# Altium PCB Time4CM4_PCIeCarrier_PCB.PcbDoc (part 3 of 5)
Units mil, origin at the board's own origin, x right, y up, seen from the top; angles counter-clockwise.
Board outline 4413.39 x 2736.22 mil, 6 copper layers (Top Layer, Int1 (GND), Int2 (Sign), Int3 (Sign), Int4 (PWR), Bottom Layer), stack 69.312 mil thick; 188 components, 283 nets, 1105 pads, 686 vias.
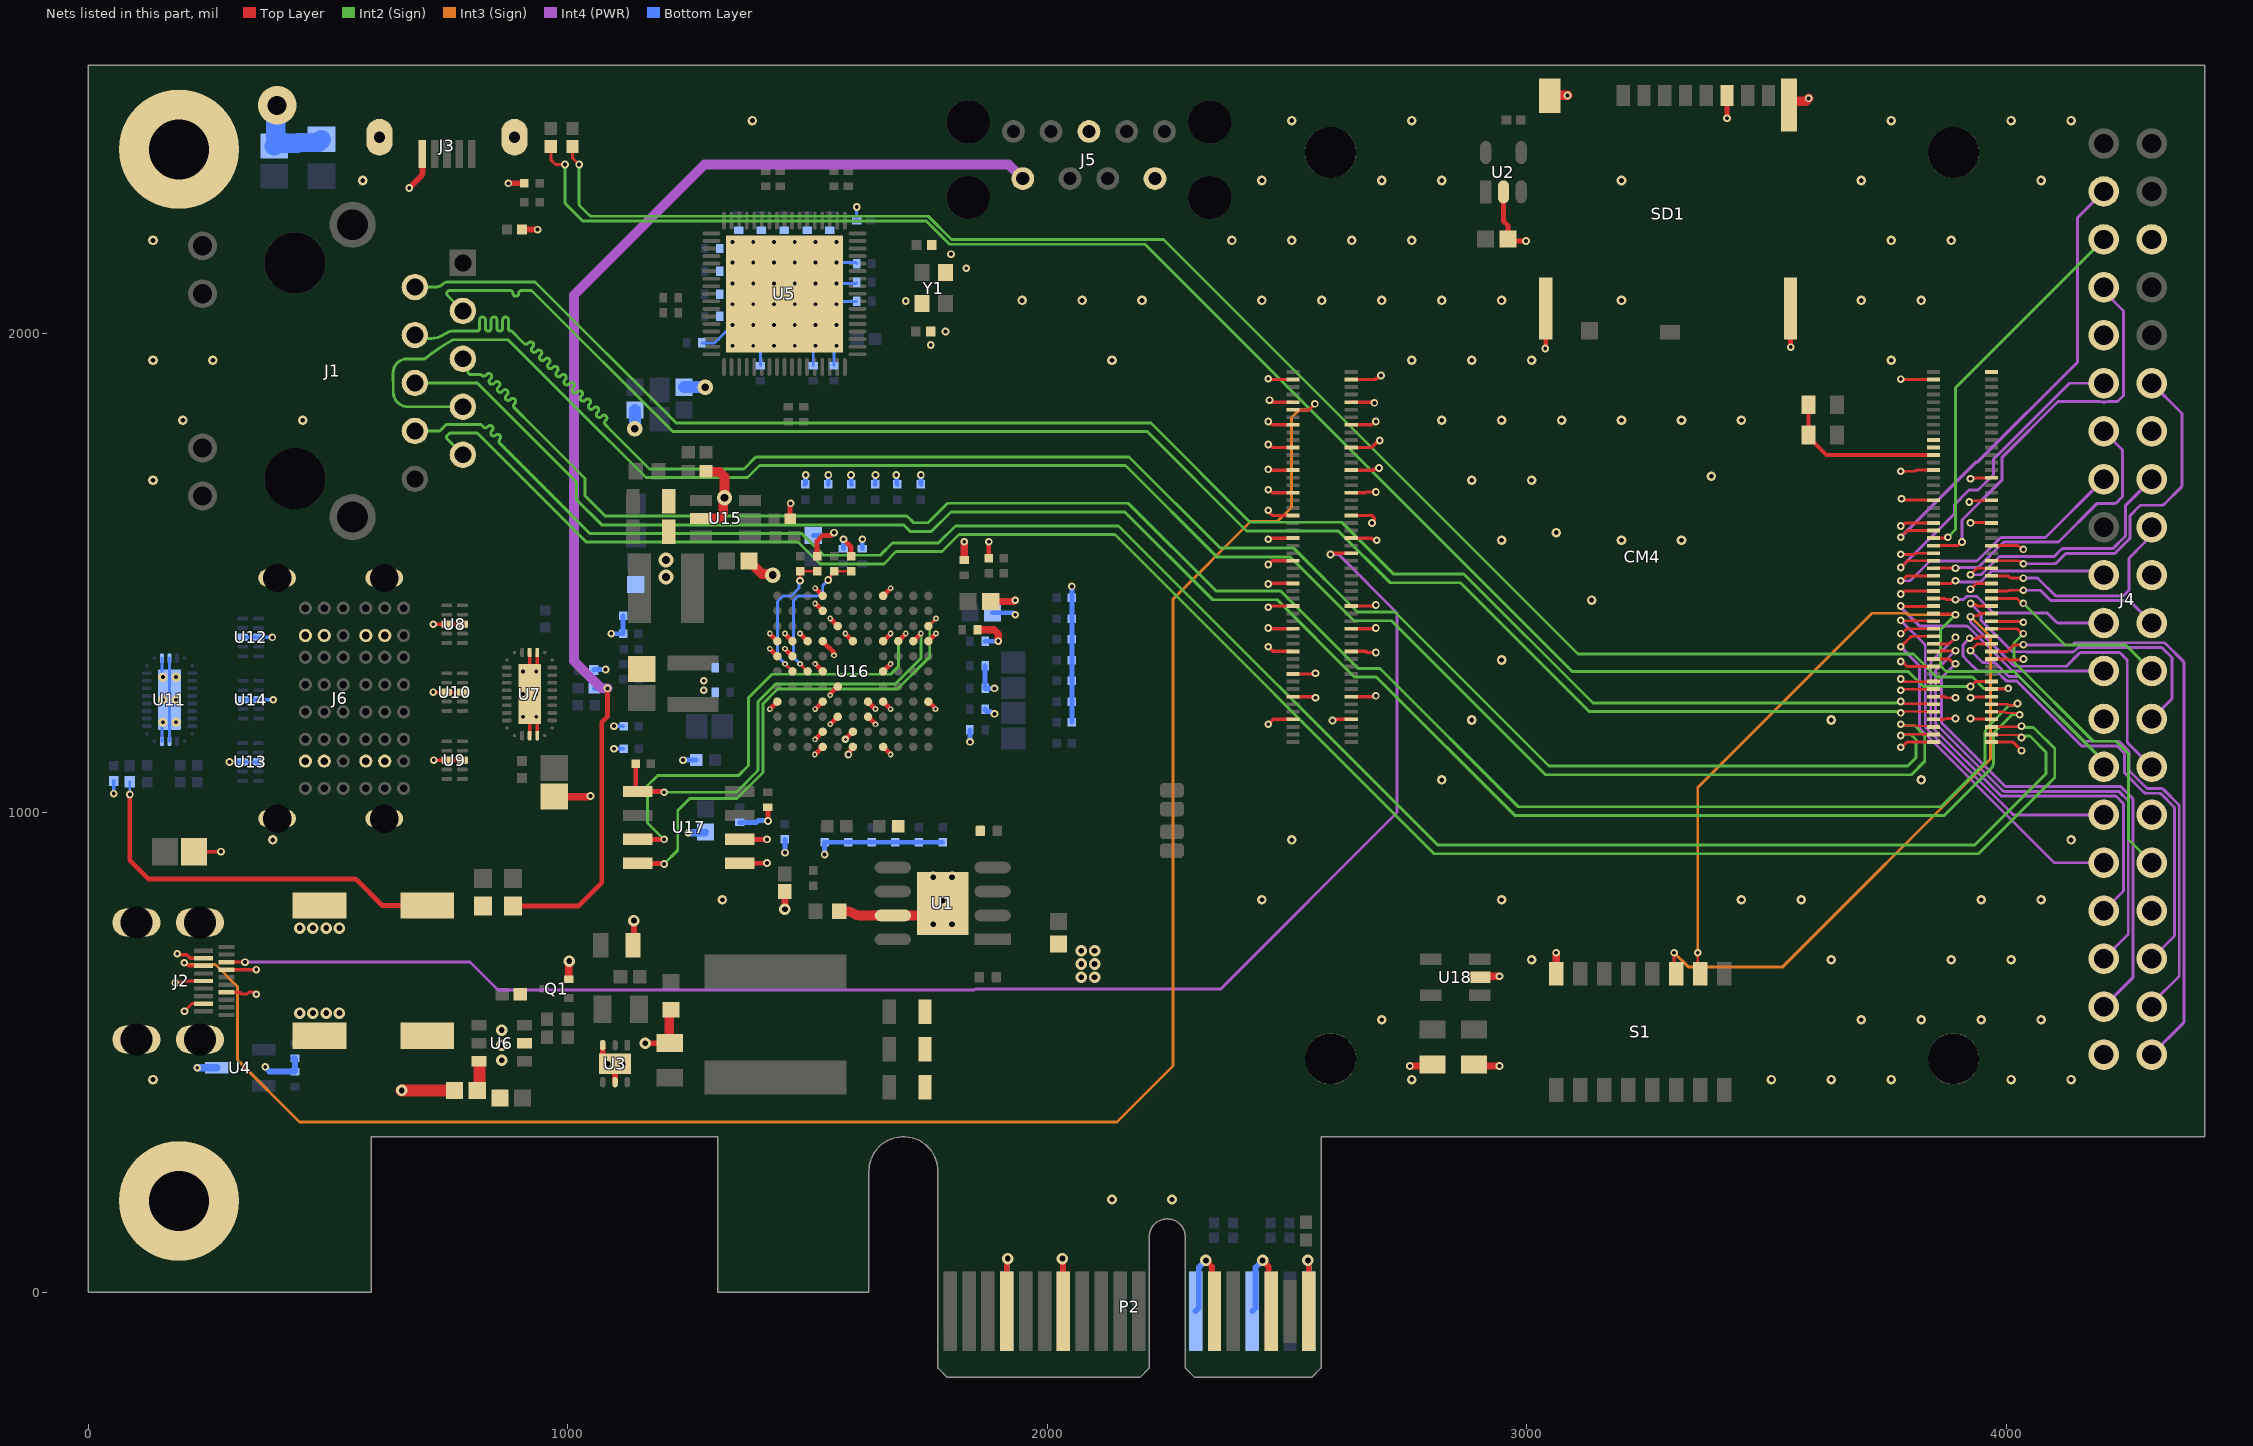
[diagram p7: the nets of this part, all layers, seen from the top]

## Via types
v1: diameter 16, hole 8, Top Layer to Bottom Layer, tented both sides, 372 vias
v2: diameter 20, hole 10, Top Layer to Bottom Layer, tented both sides, 88 vias
v3: diameter 12, hole 6, Top Layer to Bottom Layer, tented both sides, 87 vias
v4: diameter 24, hole 12, Top Layer to Bottom Layer, tented both sides, 69 vias
v5: diameter 19.68, hole 7.87, Top Layer to Bottom Layer, tented both sides, 36 vias
v6: diameter 32, hole 16, Top Layer to Bottom Layer, tented both sides, 19 vias
v7: diameter 19.68, hole 7.87, Top Layer to Bottom Layer, 12 vias
v8: diameter 16, hole 6, Top Layer to Bottom Layer, tented both sides, 2 vias
v9: diameter 80, hole 40, Top Layer to Bottom Layer, tented both sides, 1 vias

## Nets (pads, with @x,y where several pads share a name; then routed paths per layer and width w, separated by ;. In a path a pad name is that pad's centre, name@x,y a point inside that pad or via, vN(x,y) a via of type N, cw(c..) or ccw(c..) an arc to the next point about the centre after c; other vN are vias at no path point) (continued)
EECS: R53.1 U16.K8 U17.1 | length 923.9
  Top Layer w10: R53.1@1141.73,1102.36 1141.73,1048.82 U17.1@1145.67,1044.88 1197.59,1044.88 1199.16,1043.31 v1(1200.79,1043.31) ; U16.K8@1720.47,1358.27 v3(1736.22,1374.02)
  Int2 (Sign) w6: v1(1200.79,1043.31) 1351.74,1043.31 1396.81,1088.38 1396.81,1232.08 1433.28,1268.54 1682.29,1268.54 1736.22,1322.47 v3(1736.22,1374.02)
EEDI: U16.J8 U17.3 | length 987.3
  Top Layer w10: U17.3@1145.67,944.88 v1(1200.79,944.88) ; U16.J8@1688.98,1358.27 v3(1704.72,1374.02)
  Int2 (Sign) w6: v1(1200.79,944.88) 1166.34,979.33 1166.34,1057.09 1187.01,1077.76 1355.31,1077.76 1376.81,1099.25 1376.81,1240.36 1425.82,1289.37 1673.23,1289.37 1689.96,1306.1 1689.96,1359.25 v3(1704.72,1374.02)
EEDO: U16.L9 U17.4 | length 1028.6
  Top Layer w6: U16.L9@1751.97,1389.76 v3(1767.72,1405.51)
  Top Layer w10: U17.4@1145.67,894.88 1197.98,894.88 1199.16,893.7 v1(1200.79,893.7)
  Int2 (Sign) w6: v1(1200.79,893.7) 1229.33,922.24 1229.33,1004.92 1254.92,1030.51 1353.09,1030.51 1406.81,1084.24 1406.81,1227.94 1437.42,1258.54 1687.68,1258.54 1754.72,1325.58 1754.72,1392.51 v3(1767.72,1405.51)
EN485#: R49.1 R51.2 U16.C6 | length 314
  Top Layer w6: v3(1484.25,1311.02) U16.C6@1500,1295.28 ; v1(1542.88,1485.97) 1542.88,1488.1 1549.26,1494.48 1549.26,1498.08 R49.1@1555.12,1503.94 R51.2@1590.55,1503.94
  Bottom Layer w6: v3(1484.25,1311.02) 1470.99,1324.29 1470.99,1443.43 1480.31,1452.76 1519.68,1452.76 1531.5,1464.57 1531.5,1474.58 v1(1542.88,1485.97)
ENIR#: R48.1 R50.2 U16.B6 | length 288.1
  Top Layer w6: v3(1452.76,1311.02) U16.B6@1468.5,1295.28 ; v1(1484.25,1484.25) R48.1@1484.25,1503.94 R50.2@1519.68,1503.94 R50.2@1520.56,1503.06
  Bottom Layer w6: v3(1452.76,1311.02) 1437.01,1326.77 1437.01,1440.94 1448.82,1452.76 1466.17,1452.76 1482.34,1468.92 1482.34,1482.34 v1(1484.25,1484.25)
ETH_LED2: CM4.17 R9.1 | length 3537.9
  Top Layer w6: R9.1@964.57,2389.76 964.57,2362.2 974.41,2352.36 v1(994.09,2352.36) ; v1(3925.2,1263.78) 3935.4,1273.98 CM4.17@3968.96,1273.98
  Int2 (Sign) w6: v1(994.09,2352.36) 994.09,2274.13 ccw(c1000.09,2274.13) 995.83,2269.9 1029.6,2236.14 ccw(c1033.81,2240.41) 1033.78,2234.41 1747.51,2234.41 1796.02,2185.9 2203.87,2185.9 3094.49,1295.28 3795.28,1295.28 3826.77,1263.78 v1(3925.2,1263.78)
ETH_LED3: CM4.15 R10.1 | length 3560.8
  Top Layer w6: R10.1@1009.84,2389.76 1009.84,2366.14 v1(1023.62,2352.36) ; CM4.15@3968.96,1258.23 4002.33,1258.23 v1(4003.94,1259.84)
  Int2 (Sign) w6: v1(1023.62,2352.36) 1023.62,2270.05 ccw(c1029.62,2270.05) 1025.36,2265.83 ; 1025.38,2265.81 1045.05,2246.14 ccw(c1049.27,2250.41) 1049.23,2244.41 1751.65,2244.41 1800.17,2195.9 2241.95,2195.9 3106.39,1331.46 3806.34,1331.46 3854.33,1283.46 3929.13,1283.46 3952.76,1259.84 v1(4003.94,1259.84)
ETH_PAIR0_N: CM4.10 J1.3 | length 3524.4
  Top Layer w5: 3787.62,1211.07 cw(c3789.89,1206.61) 3789.86,1211.61 3836.42,1211.61 CM4.10@3847.7,1210.99
  Int2 (Sign) w6: J1.3@781.1,2047.05 749.09,2079.06 cw(c753.33,2083.3) 747.33,2083.3 cw(c753.33,2083.3) 749.09,2087.55 cw(c753.97,2082.67) 753.97,2089.57 819.88,2089.57 879.5,2089.57 cw(c879.5,2083.57) 885.5,2083.57 ccw(c891.5,2083.57) 897.5,2083.57 cw(c903.5,2083.57) 903.5,2089.57 906.5,2089.57 924.35,2089.57 1218.64,1795.28 2208.38,1795.28 2415.35,1588.3 2606.58,1588.3 2714.92,1479.96 2861.64,1479.96 3130.13,1211.47 3771.01,1211.47 3771.91,1210.57 3777.61,1210.57 v1(3779.53,1208.66)
ETH_PAIR0_P: CM4.12 J1.2 | length 3527.1
  Top Layer w5: 3786.93,1228.07 ccw(c3789.5,1232.36) 3789.5,1227.36 3836.42,1227.36 CM4.12@3847.7,1226.74
  Int2 (Sign) w6: J1.2@681.1,2096.65 725.02,2096.65 ccw(c725.02,2115.28) 738.2,2102.11 cw(c751.37,2088.94) 751.37,2107.57 931.8,2107.57 1226.09,1813.28 1628.24,1813.28 1656.15,1813.28 2215.83,1813.28 2422.81,1606.3 2614.04,1606.3 2722.37,1497.96 2869.09,1497.96 3137.59,1229.47 3771.01,1229.47 3771.91,1230.37 3777.61,1230.37 v1(3779.53,1232.28)
ETH_PAIR1_N: CM4.6 J1.7 | length 4013
  Top Layer w5: v1@3781.71,1182.67 3836.42,1180.93 CM4.6@3847.7,1179.49
  Int2 (Sign) w6: 635.79,1918.24 635.83,1877.95 635.83,1877.89 ccw(c666.81,1878.03) 666.81,1847.05 666.88,1847.05 J1.7@781.1,1847.05 ; 635.79,1918.28 cw(c664.43,1918.21) 664.43,1946.85 699.74,1946.85 ccw(c699.71,1952.85) 703.46,1948.17 cw(c963.73,1627.07) 759.03,1986.15 cw(c761.97,1980.92) 761.93,1986.92 875.42,1986.92 1077.17,1785.17 1099.15,1763.19 1162.82,1699.52 1374.58,1699.52 1399.52,1724.46 2163.05,1724.46 2353.35,1534.17 2506.19,1534.17 2639.53,1400.83 2717.42,1400.83 3038.52,1079.72 3462.17,1079.72 3801.75,1079.72 3829.72,1107.7 3829.72,1160.54 3808.04,1182.23 3788.04,1182.23 3787.14,1183.13 3781.44,1183.13 v1(3779.53,1185.04)
ETH_PAIR1_P: CM4.4 J1.4 | length 4002.1
  Top Layer w5: v1@3783.94,1163.76 3836.42,1163.76 CM4.4@3847.7,1163.74
  Int2 (Sign) w6: J1.4@681.1,1996.65 ccw(c697.82,2013.37) 697.82,1989.73 715.3,1989.73 ccw(c715.3,2049.29) 728.41,1991.19 ccw(c683.97,2099.64) 747.42,2001.1 747.5,2001.15 cw(c760.42,1980.92) 760.38,2004.92 807.09,2004.92 810.09,2004.92 ccw(c810.09,2010.92) 816.09,2010.92 816.09,2028.31 cw(c822.09,2028.31) 828.09,2028.31 828.09,2010.92 ccw(c834.09,2010.92) 840.09,2010.92 840.09,2028.31 cw(c846.09,2028.31) 852.09,2028.31 852.09,2010.92 ccw(c858.09,2010.92) 864.09,2010.92 864.09,2028.28 cw(c870.09,2028.28) 876.09,2028.28 876.09,2010.92 ccw(c882.09,2010.92) 882.09,2004.92 882.87,2004.92 905.51,1982.28 906.5,1981.3 908.62,1979.18 ccw(c912.86,1983.42) 917.1,1979.18 918.54,1980.61 cw(c922.78,1976.37) 927.02,1980.61 cw(c922.78,1976.37) 927.02,1972.13 925.59,1970.69 ccw(c929.83,1966.45) 925.59,1962.21 ccw(c929.83,1966.45) 934.07,1962.21 935.51,1963.64 cw(c939.75,1959.4) 944,1963.64 cw(c939.75,1959.4) 944,1955.16 942.56,1953.72 ccw(c946.8,1949.48) 942.56,1945.24 ccw(c946.8,1949.48) 951.04,1945.24 952.48,1946.67 cw(c956.72,1942.43) 960.97,1946.67 cw(c956.72,1942.43) 960.97,1938.19 959.53,1936.75 ccw(c963.77,1932.51) 959.53,1928.27 ccw(c963.77,1932.51) 968.01,1928.27 969.45,1929.7 cw(c973.69,1925.46) 977.94,1929.7 cw(c973.69,1925.46) 977.94,1921.22 976.5,1919.78 ccw(c980.74,1915.54) 976.5,1911.3 ccw(c980.74,1915.54) 984.99,1911.29 986.42,1912.73 cw(c990.66,1908.49) 994.91,1912.73 cw(c990.66,1908.49) 994.91,1904.25 993.47,1902.81 ccw(c997.71,1898.57) 993.47,1894.32 ccw(c997.71,1898.57) 1001.96,1894.32 1003.39,1895.76 cw(c1007.64,1891.52) 1011.88,1895.76 cw(c1007.63,1891.52) 1011.88,1887.28 1010.44,1885.84 ccw(c1014.68,1881.6) 1010.44,1877.35 ccw(c1014.68,1881.6) 1018.93,1877.35 1020.36,1878.79 cw(c1024.61,1874.55) 1028.85,1878.79 cw(c1024.61,1874.55) 1028.85,1870.31 1027.41,1868.87 ccw(c1031.65,1864.63) 1027.41,1860.38 ccw(c1031.65,1864.63) 1035.9,1860.38 1037.33,1861.82 cw(c1041.58,1857.58) 1045.82,1861.82 cw(c1041.58,1857.58) 1045.82,1853.33 1044.38,1851.9 ccw(c1048.62,1847.66) 1044.38,1843.41 ccw(c1048.62,1847.66) 1052.87,1843.41 1054.3,1844.85 cw(c1058.55,1840.61) 1062.79,1844.85 cw(c1058.55,1840.61) 1062.79,1836.36 1061.35,1834.93 ccw(c1065.6,1830.68) 1061.35,1826.44 ccw(c1065.6,1830.68) 1069.84,1826.44 1071.27,1827.88 cw(c1075.52,1823.64) 1079.76,1827.88 cw(c1075.52,1823.64) 1079.76,1819.39 1078.32,1817.96 ccw(c1082.57,1813.71) 1078.32,1809.47 1089.9,1797.9 1170.28,1717.52 1367.13,1717.52 1392.06,1742.46 2170.51,1742.46 2360.8,1552.17 2513.64,1552.17 2646.98,1418.83 2724.87,1418.83 3045.98,1097.72 3794.29,1097.72 3811.72,1115.16 3811.72,1153.08 3800.58,1164.23 3788.04,1164.23 3787.14,1163.33 3781.44,1163.33 v1(3779.53,1161.42)
ETH_PAIR2_N: CM4.9 J1.6 | length 3962.6
  Top Layer w5: CM4.9@3968.96,1210.99 3996.17,1210.99 3998.66,1208.5 4020.81,1208.5 4024.58,1204.72 v1(4027.56,1204.72)
  Int2 (Sign) w6: J1.6@681.1,1896.65 811.16,1896.65 1017.72,1690.1 1017.72,1653.96 1070.82,1600.86 1700.22,1600.86 1713.76,1587.32 1758.68,1587.32 1799.31,1627.95 2161.42,1627.95 2344.77,1444.6 2479.33,1444.6 2640.75,1283.18 2686.44,1283.18 2974.54,995.08 3870.93,995.08 3966.44,1090.59 ccw(c3949.43,1107.52) 3973.43,1107.52 3973.43,1164.04 cw(c3979.43,1164.04) 3975.16,1168.27 4012.24,1205.35 4027.38,1205.35 4027.56,1205.17 v1(4027.56,1204.72)
ETH_PAIR2_P: CM4.11 J1.5 | length 3955
  Top Layer w5: CM4.11@3968.96,1226.74 4002.69,1226.74 4005.18,1224.24 4016.09,1224.24 4020.19,1228.35 v1(4023.17,1228.35)
  Int2 (Sign) w6: J1.5@781.1,1947.05 790.49,1937.66 790.49,1919.55 795.38,1914.65 818.2,1914.65 818.61,1914.65 820.53,1912.74 ccw(c824.77,1916.98) 829.01,1912.74 831.2,1914.93 cw(c835.44,1910.69) 839.69,1914.93 cw(c835.44,1910.69) 839.69,1906.44 837.5,1904.26 ccw(c841.74,1900.01) 837.5,1895.77 ccw(c841.74,1900.01) 845.98,1895.77 848.17,1897.96 cw(c852.41,1893.72) 856.66,1897.96 cw(c852.41,1893.72) 856.66,1889.47 854.47,1887.28 ccw(c858.71,1883.04) 854.47,1878.8 ccw(c858.71,1883.04) 862.95,1878.8 865.14,1880.99 cw(c869.39,1876.75) 873.63,1880.99 cw(c869.39,1876.75) 873.63,1872.5 871.44,1870.31 ccw(c875.68,1866.07) 871.44,1861.83 ccw(c875.68,1866.07) 879.92,1861.83 881.03,1862.93 cw(c885.27,1858.69) 889.51,1862.93 cw(c885.27,1858.69) 889.51,1854.44 888.41,1853.34 ccw(c892.65,1849.1) 888.41,1844.86 930.3,1802.97 1035.72,1697.55 1035.72,1661.42 1078.06,1619.08 1707.46,1619.08 1721.22,1605.32 1751.22,1605.32 1791.86,1645.95 2168.87,1645.95 2352.23,1462.6 2486.79,1462.6 2648.2,1301.18 2693.9,1301.18 2982,1013.08 3863.47,1013.08 3953.69,1103.29 ccw(c3949.43,1107.52) 3955.43,1107.52 3955.43,1164.04 cw(c3979.43,1164.04) 3962.41,1180.97 4003.53,1222.09 4005.42,1223.98 4015.53,1225.22 4022.54,1227.72 v1(4023.17,1228.35)
ETH_PAIR3_N: CM4.5 J1.9 | length 4100.5
  Top Layer w5: CM4.5@3968.96,1179.49 4027.82,1179.49 ccw(c4027.82,1184.49) v1(4031.5,1181.1)
  Int2 (Sign) w6: J1.9@781.1,1747.05 747.33,1780.82 747.33,1785.79 753.93,1792.39 810.96,1792.39 1038.36,1564.98 1480.29,1564.98 1525.87,1519.4 1659.03,1519.4 1684.62,1544.99 1780.09,1544.99 1815.81,1580.71 2140.88,1580.71 2806.52,915.07 3941.51,915.07 4100.68,1074.24 4100.68,1134.14 4056.53,1178.29 4040.01,1178.29 4039.11,1179.19 4033.41,1179.19 v1(4031.5,1181.1)
ETH_PAIR3_P: CM4.3 J1.8 | length 4091.1
  Top Layer w5: CM4.3@3968.96,1163.74 3980.24,1162.49 4026.48,1162.49 cw(c4026.48,1157.48) v1(4031.5,1157.48)
  Int2 (Sign) w6: J1.8@681.1,1796.65 732.74,1796.65 746.48,1810.39 818.41,1810.39 821.81,1807 823.93,1804.88 ccw(c828.17,1809.12) 832.41,1804.88 833.83,1806.29 cw(c838.07,1802.05) 842.31,1806.29 cw(c838.07,1802.05) 842.31,1797.8 840.9,1796.39 ccw(c845.14,1792.15) 840.9,1787.9 ccw(c845.14,1792.15) 849.38,1787.9 cw(c853.63,1783.66) 857.87,1787.91 cw(c853.63,1783.66) 857.87,1779.42 ccw(c862.11,1775.18) 857.87,1770.93 968.44,1660.37 1045.82,1582.98 1487.75,1582.98 1533.33,1537.4 1651.57,1537.4 1677.17,1562.99 1772.64,1562.99 1808.35,1598.71 2148.34,1598.71 2813.98,933.07 3934.06,933.07 4082.68,1081.69 4082.68,1126.69 4049.07,1160.29 4040.01,1160.29 4039.11,1159.39 4033.41,1159.39 v1(4031.5,1157.48)
ETH_SYNC_IN: CM4.16 | length 69
  Top Layer w5: v1(3779.53,1255.91) cw(c3783.75,1253.23) 3783.72,1258.23 CM4.16@3847.7,1258.23
ETH_SYNC_OUT: CM4.18 | length 71.3
  Top Layer w5: v1(3779.53,1279.53) ccw(c3785.07,1279.53) 3785.07,1273.98 CM4.18@3847.7,1273.98
EXT_USB_5V: C43.1 C50.1 C53.1 FB5.2 FB6.2 J5.1 R25.2 R29.2 U6.6 | length 3435.7
  Top Layer w10: v1(86.61,1038.39) 86.61,901.57 125.98,862.2 553.65,862.2 cw(c553.65,852.2) 560.68,859.32 613,807 706.69,807 C53.1@707,807 ; FB5.2@885.83,806.06 1022.6,806.06 1070.87,854.33 1070.87,1188.98 1082.68,1200.79 v1(1082.68,1259.84)
  Top Layer w25: C43.1@811.05,421.26 816.28,426.49 U6.6@816.28,471.55
  Int4 (PWR) w20: v1(1082.68,1259.84) 1069.88,1259.84 1012.8,1316.93 1012.8,2080.12 1285.04,2352.36 1919.29,2352.36 J5.1@1948.82,2322.83
  Bottom Layer w5: v1(86.61,1038.39) R29.2@86.61,1064.96
  Bottom Layer w10: R25.2@1055.12,1259.84 v1(1082.68,1259.84)
GLOBAL_EN: CM4.99
GND: C1.2 C2.2 C4.2 C5.2 C6.2 C7.2 C9.2 C10.2 C11.1 C12.2 C15.2 C16.2 C18.2 C19.2 C20.2 C24.1 C25.2 C26.2 C27.1 C28.1 C29.1 C30.1 C31.1 C32.1 C33.1 C34.1 C35.1 C36.1 C37.1 C38.1 C39.1 C40.1 C41.1 C42.1 C43.2 C48.1 C49.2 C50.2 C51.2 C52.2 C53.2 C54.2 C55.2 C57.2 C58.2 C59.2 C60.2 C61.1 C62.1 C63.1 C64.1 C65.2 C66.2 C67.1 C68.1 C69.1 C70.1 C71.2 C72.2 C73.1 C74.2 C75.1 C76.1 C77.1 C80.2 C81.2 CM4.1 CM4.2 CM4.7 CM4.8 CM4.13 CM4.14 CM4.22 CM4.23 CM4.32 CM4.33 CM4.42 CM4.43 CM4.52 CM4.53 CM4.59 CM4.60 CM4.65 CM4.66 CM4.71 CM4.74 CM4.98 CM4.107 CM4.108 CM4.113 CM4.114 CM4.120 CM4.125 CM4.126 CM4.131 CM4.132 CM4.137 CM4.138 CM4.144 CM4.150 CM4.155 CM4.156 CM4.161 CM4.162 CM4.167 CM4.168 CM4.173 CM4.174 CM4.179 CM4.180 CM4.185 CM4.186 CM4.191 CM4.192 CM4.197 CM4.198 J2.4 J2.7 J2.10 J2.13 J2.16 J2.20 J2.21 J2.22 J2.23 J3.5 J3.6 J3.7 J4.6 J4.9 J4.14 J4.20 J4.25 J4.30 J4.34 J4.39 J5.4 J5.7 J6.A1-A J6.A1-B J6.A12-A J6.A12-B J6.B1-A J6.B1-B J6.B12-A J6.B12-B J6.GND1 J6.GND2 J6.GND3 J6.GND4 P2.A4 P2.A12 P2.A15 P2.A18 P2.B4 P2.B7 P2.B13 P2.B16 P2.B18 pad.1 pad.MH1 pad.MH2 Q1.2 R1.1 R2.1 R5.1 R8.1 R12.1 R14.1 R16.1 R18.1 R21.1 R32.1 R33.1 R34.2 R35.1 R36.1 R38.1 R39.1 R40.1 R41.1 R42.1 R43.1 R44.1 R50.1 R51.1 R52.2 R54.2 R55.2 R56.2 R57.2 R58.2 R59.2 R60.2 R61.2 R62.2 R63.2 R64.2 R65.1 S1.8 SD1.6 SD1.11 SD1.12 SD1.13 SD1.14 U1.7 U1.9 U2.2 U3.3 U3.5 U3.7 U4.3 U5.69 U6.2 U7.12 U7.13 U7.28 U7.29 U7.31 U8.3 U8.8 U9.3 U9.8 U10.3 U10.8 U11.12 U11.13 U11.28 U11.29 U11.31 U12.3 U12.8 U13.3 U13.8 U14.3 U14.8 U15.2 U16.A4 U16.A7 U16.A8 U16.B7 U16.B8 U16.C8 U16.D1 U16.D2 U16.D4 U16.D6 U16.D8 U16.D10 U16.D11 U16.E3 U16.E5 U16.E9 U16.F1 U16.F2 U16.F8 U16.G3 U16.G4 U16.H1 U16.H4 U16.H6 U16.H8 U16.H11 U16.L4 U16.L8 U17.5 U17.6 U18.2 Y1.2 Y1.4 | length 10072.4
  Top Layer w6: v1(181.1,645.67) 181.98,646.55 192.26,646.55 194.57,648.86 206.93,648.86 207.68,649.61 J2.10@240.16,649.61 ; v1(200.79,586.61) 216.54,602.36 J2.4@240.16,602.36 ; J2.7@288.39,625.98 315.82,625.98 319.01,622.8 332,622.8 336.2,627 342.74,627 347.69,622.05 v1(350.39,622.05) ; v1(3779.53,1137.05) ccw(c3779.17,1143.04) 3783.4,1138.77 3790.88,1146.26 cw(c3795.1,1142) 3795.1,1148 CM4.2@3847.7,1148 ; v1(3779.53,1315.71) 3782.23,1315.71 3786.66,1311.28 3787.14,1311.28 3792.95,1305.48 CM4.22@3847.7,1305.48 ; v1(3779.53,1374.02) 3779.75,1374.02 ccw(c3779.75,1380.02) 3783.97,1375.75 3790.7,1382.48 cw(c3794.92,1378.22) 3794.92,1384.22 CM4.32@3847.7,1384.22 ; v1(3779.53,1456.69) 3779.75,1456.69 ccw(c3779.75,1462.69) 3783.97,1458.43 3786.76,1461.22 cw(c3790.98,1456.96) 3790.98,1462.96 CM4.42@3847.7,1462.96 ; v1(3779.53,1539.37) 3807.35,1539.37 ccw(c3807.35,1545.37) 3810.27,1540.13 3811.73,1540.94 cw(c3814.65,1535.7) 3814.65,1541.7 CM4.52@3847.7,1541.7 ; v1(3779.53,1598.43) 3779.75,1598.43 ccw(c3779.75,1604.43) 3783.97,1600.16 3786.76,1602.95 cw(c3790.98,1598.69) 3790.98,1604.69 CM4.60@3847.7,1604.69 ; v1(3779.53,1712.6) 3807.35,1712.6 ccw(c3807.35,1718.6) 3810.27,1713.35 3811.71,1714.16 cw(c3814.65,1708.93) 3814.65,1714.93 CM4.74@3847.7,1714.93 ; v1(3779.53,1904.65) ccw(c3782.43,1909.9) 3782.39,1903.9 3810.95,1903.9 ; v1(3781.21,1655.22) 3783.91,1655.22 3786.39,1652.74 3836.92,1652.74 CM4.66@3847.7,1651.93 ; 3810.98,1903.9 CM4.98@3847.7,1903.9 ; CM4.8@3847.7,1195.24 3870.03,1195.24 ccw(c3870.03,1201.24) 3872.06,1195.59 3874.57,1196.5 cw(c3876.6,1190.85) 3876.6,1196.85 v1(3893.7,1196.85) ; CM4.14@3847.7,1242.49 3869.66,1242.49 cw(c3869.66,1236.49) 3872.61,1241.71 3874.02,1240.93 ccw(c3876.96,1246.16) 3876.96,1240.16 v1(3893.7,1240.16) ; v1(3922.46,1648.39) 3925.17,1648.39 3927.78,1651 3958.18,1651 CM4.65@3968.96,1651.93 ; v1(3925.2,1240.16) cw(c3929.04,1235.55) 3929,1241.55 3958.18,1241.55 CM4.13@3968.96,1242.49 ; v1(3925.2,1466.81) ccw(c3922.54,1472.19) 3926.76,1467.93 3935.8,1476.97 cw(c3940.03,1472.71) 3940.03,1478.71 CM4.43@3968.96,1478.71 ; v1(3925.2,1604.92) 3925.77,1605.49 3958.18,1605.49 CM4.59@3968.96,1604.69 ; v1(3925.2,1696.85) cw(c3929.04,1692.24) 3929,1698.24 3958.18,1698.24 CM4.71@3968.96,1699.18 ; v1@3925.23,1196.83 ccw(c3928.2,1202.05) 3928.16,1196.05 3958.18,1196.05 CM4.7@3968.96,1195.24 ; CM4.1@3968.96,1148 4010.94,1148 cw(c4010.94,1142) 4015.18,1146.24 v1(4031.5,1129.92) ; CM4.23@3968.96,1321.23 4001.16,1321.23 cw(c4001.16,1315.23) 4004.12,1320.45 4005.54,1319.66 ccw(c4008.46,1324.9) 4008.46,1318.9 4026.99,1318.9 4027.24,1319.15 4033.59,1319.15 v1(4035.5,1321.06) ; CM4.33@3968.96,1399.97 3979.74,1399.03 4031.59,1399.03 cw(c4031.59,1393.03) v1(4035.43,1397.64) ; CM4.53@3968.96,1557.45 4022.48,1557.45 cw(c4022.48,1551.45) 4026.75,1555.66 4030.98,1551.43 ccw(c4035.21,1555.69) 4035.21,1549.69 v1(4035.43,1549.69)
  Top Layer w7: v1(185.47,706.28) 187.19,704.56 193.56,704.56 193.64,704.48 205.08,704.48 212.71,696.85 J2.16@240.16,696.85 ; C55.2@220.6,919.29 v1(276.57,919.29) ; J2.13@288.39,673.23 319.3,673.23 319.37,673.3 332.21,673.3 332.27,673.23 v1(350.39,673.23) ; v1(719.49,1251.97) U10.8@780.22,1251.97 ; v1(719.49,1393.7) U8.8@780.22,1393.7 ; v1(720.47,1110.24) U9.3@747.34,1110.24 U9.8@780.22,1110.24 ; U7.28@920.28,1161.42 U7.31@920.28,1248.03 ; U7.13@920.28,1334.65 U7.31@920.28,1248.03 ; v7(934.06,1200.79) 936.02,1198.82 U7.29@936.02,1161.42 ; U7.12@936.02,1334.65 936.02,1263.78 U7.31@920.28,1248.03 ; v1(2460.63,1185.04) 2470.83,1195.24 CM4.108@2512.26,1195.24 ; v1(2460.63,1346.46) 2470.11,1336.97 CM4.126@2512.26,1336.97 ; v1(2460.63,1385.83) 2462.24,1384.22 CM4.132@2512.26,1384.22 ; v1(2460.63,1429.13) 2463.07,1429.13 2465.39,1431.46 CM4.138@2512.26,1431.46 ; v1(2460.63,1477.6) 2461.13,1478.1 2468.62,1478.1 2469.23,1478.71 CM4.144@2512.26,1478.71 ; v1(2460.63,1518.18) 2461.46,1518.18 2469.23,1525.95 CM4.150@2512.26,1525.95 ; v1(2460.63,1570.87) 2462.35,1572.59 2468.62,1572.59 2469.23,1573.19 CM4.156@2512.26,1573.19 ; v1(2460.63,1631.3) 2460.63,1628.86 2463.07,1626.43 2463.07,1625.98 2468.61,1620.44 CM4.162@2512.26,1620.44 ; v1(2460.63,1673.98) 2462.93,1673.98 2469.23,1667.68 CM4.168@2512.26,1667.68 ; v1(2460.63,1716.54) 2462.24,1714.93 CM4.174@2512.26,1714.93 ; v1(2460.63,1768.46) 2462.94,1768.46 2469.23,1762.17 CM4.180@2512.26,1762.17 ; v1(2460.63,1816.46) 2462.18,1816.46 2469.23,1809.41 CM4.186@2512.26,1809.41 ; v1(2460.63,1905.51) 2462.24,1903.9 CM4.198@2512.26,1903.9 ; v1(2463.36,1861) 2463.36,1860.76 2467.46,1856.66 CM4.192@2512.26,1856.66 ; CM4.114@2512.26,1242.49 2554.29,1242.49 2556.62,1240.16 v1(2559.06,1240.16) ; CM4.120@2512.26,1289.73 2557.45,1289.73 v1(2559.06,1291.34) ; v1(2594.49,1192.91) 2596.21,1194.64 2602.48,1194.64 2603.09,1195.24 CM4.107@2633.52,1195.24 ; CM4.113@2633.52,1242.49 2683.43,1242.49 v1(2685.04,1244.09) ; CM4.125@2633.52,1336.97 2664.73,1336.97 2667.06,1334.65 v1(2685.04,1334.65) ; CM4.131@2633.52,1384.22 2683.43,1384.22 v1(2685.04,1385.83) ; CM4.137@2633.52,1431.46 2676.44,1431.46 2677.08,1432.1 2683.32,1432.1 v1(2685.04,1433.83) ; CM4.155@2633.52,1573.19 2676.44,1573.19 2680.97,1568.66 2686.77,1568.66 v1(2686.9,1568.79) ; CM4.161@2633.52,1620.44 2676.44,1620.44 2681.72,1615.15 2681.72,1611.79 2677.15,1607.22 v1(2677.15,1604.78) ; CM4.167@2633.52,1667.68 2662.76,1667.68 2664.37,1669.29 v1(2685.04,1669.29) ; CM4.173@2633.52,1714.93 2680.28,1714.93 2682.9,1717.55 2689.99,1717.55 v1(2691.71,1719.27) ; CM4.179@2633.52,1762.17 2676.44,1762.17 2691,1776.73 v1(2693.3,1776.73) ; CM4.185@2633.52,1809.41 2676.44,1809.41 2683.49,1816.46 v1(2685.04,1816.46) ; CM4.191@2633.52,1856.66 2633.96,1856.22 2680.9,1856.22 v1(2681.94,1855.17) ; CM4.197@2633.52,1903.9 2683.43,1903.9 2685.04,1905.51 2686.54,1905.51 2693.21,1912.18 v1(2695.65,1912.18)